# Altium PCB PCB_15122020_01BC.PcbDoc (part 7 of 9) (continued)
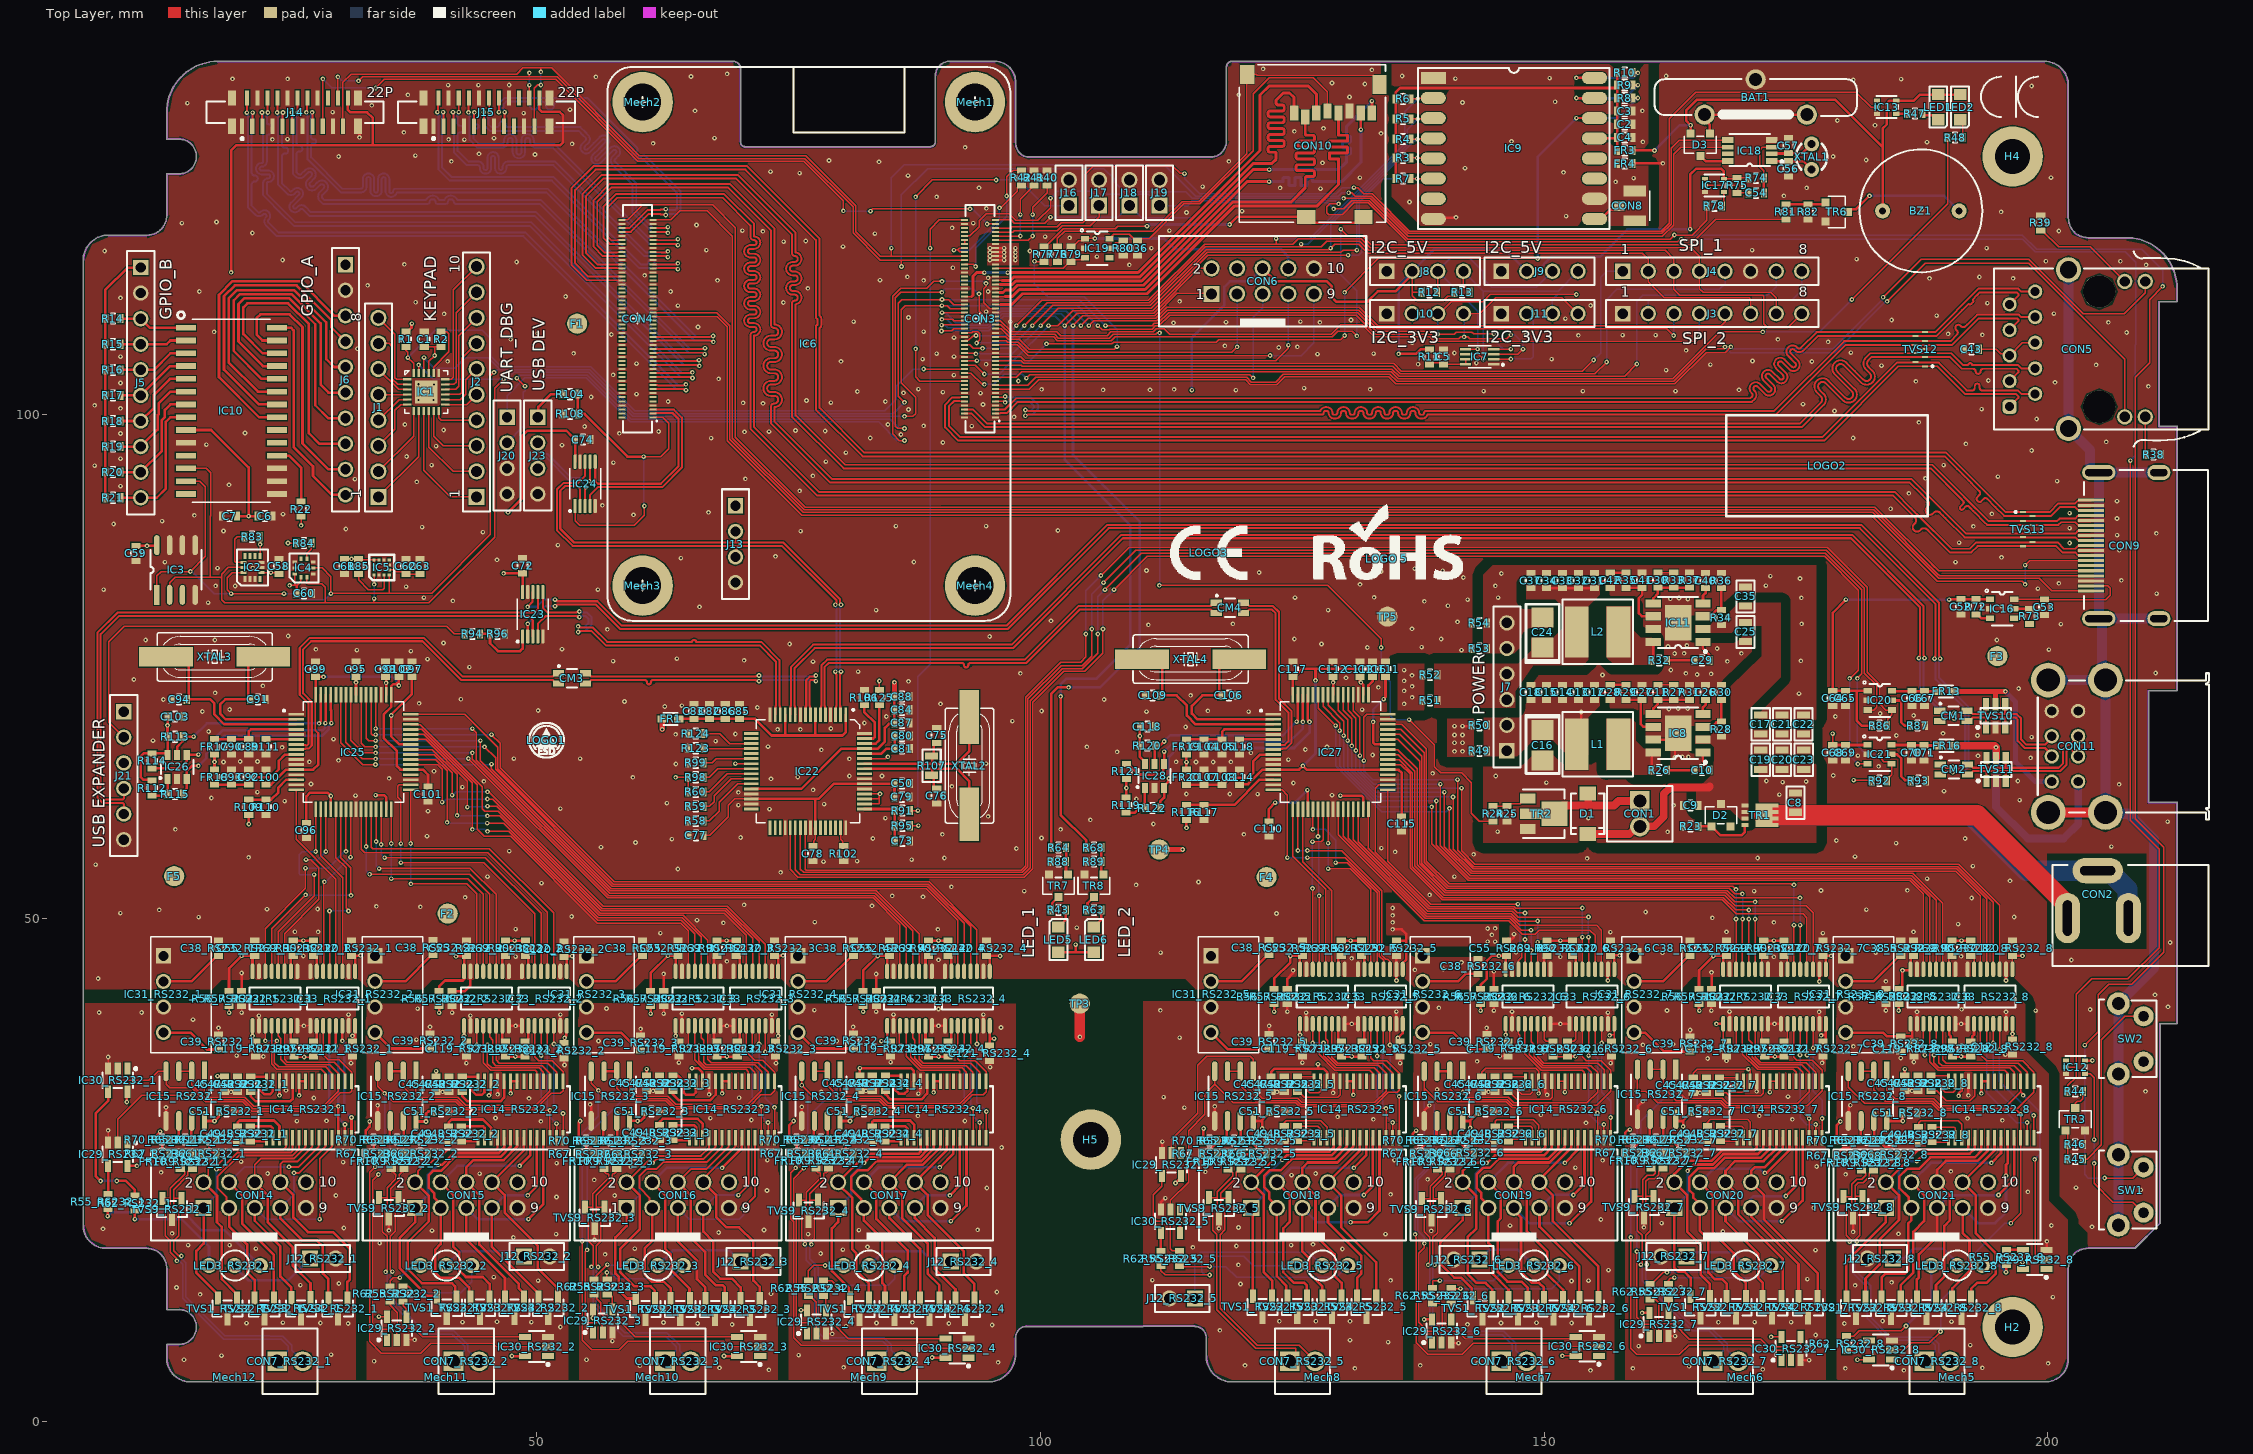
[diagram p0: Top Layer view]
## Nets (pads, with @x,y where several pads share a name; then routed paths per layer and width w, separated by ;. In a path a pad name is that pad's centre, name@x,y a point inside that pad or via, vN(x,y) a via of type N, cw(c..) or ccw(c..) an arc to the next point about the centre after c; other vN are vias at no path point) (continued)
RS485_RS232_6_N: CON7_RS232_6.2 FR9_RS232_6.2 TVS9_RS232_6.1 | length 28.5
  Top Layer w0.126: v1(139.13,15.566) 139.13,15.599 138.965,15.765 138.965,18.3 139.425,18.76 139.425,21.04 139,21.465 139,22.15 ; TVS9_RS232_6.1@139.75,22.15 139,22.15 ; FR9_RS232_6.2@140.65,25.05 140.5,25.05 140.19,24.74 140.19,24.424 139,23.234 139,22.15
  Bottom Layer w0.126: v1(139.13,15.566) 139.13,15.533 138.965,15.367 138.965,9.875 139.881,8.958 145.971,8.958 147.165,7.765 147.165,7.1 148.265,6 CON7_RS232_6.2@148.27,6
RS485_RS232_6_P: CON7_RS232_6.1 FR10_RS232_6.1 TVS9_RS232_6.2 | length 28.7
  Top Layer w0.126: TVS9_RS232_6.2@137.85,22.15 138.621,22.15 138.671,22.2 ; v1(138.49,15.566) 138.49,15.619 138.635,15.765 138.635,18.3 138.1,18.835 138.1,20.894 138.671,21.465 138.671,22.2 ; FR10_RS232_6.1@139.4,25.05 139.55,25.05 139.86,24.74 139.86,24.561 138.671,23.371 138.671,22.2
  Bottom Layer w0.126: v1(138.49,15.566) 138.49,15.513 138.635,15.367 138.635,9.739 139.745,8.629 145.835,8.629 146.835,7.628 146.835,7.105 CON7_RS232_6.1@145.73,6
RS485_RS232_7_N: CON7_RS232_7.2 FR9_RS232_7.2 TVS9_RS232_7.1 | length 26.4
  Top Layer w0.126: v1(160.19,15.6) 160.19,15.623 160.15,15.662 160.176,15.688 160.065,15.799 160.065,18.5 160.533,18.969 160.533,21.231 160.1,21.665 160.1,22.4 ; TVS9_RS232_7.1@160.85,22.35 160.8,22.4 160.1,22.4 ; FR9_RS232_7.2@161.8,25.15 161.65,25.15 161.365,24.865 161.365,24.524 160.976,24.136 160.365,24.136 160.1,23.871 160.1,22.4
  Bottom Layer w0.126: v1(160.19,15.6) 160.19,15.577 160.15,15.538 160.176,15.512 160.065,15.401 160.065,14.135 164.821,9.379 166.511,9.379 168.165,7.726 168.165,7.1 169.265,6 CON7_RS232_7.2@169.27,6
RS485_RS232_7_P: CON7_RS232_7.1 FR10_RS232_7.1 TVS9_RS232_7.2 | length 26.5
  Top Layer w0.126: TVS9_RS232_7.2@158.95,22.35 159,22.4 159.771,22.4 ; v1(159.6,15.597) 159.6,15.663 159.735,15.799 159.735,18.5 159.263,18.972 159.263,21.158 159.771,21.665 159.771,22.4 ; FR10_RS232_7.1@160.6,25.15 160.75,25.15 161.035,24.865 161.035,24.661 160.84,24.465 160.229,24.465 159.771,24.007 159.771,22.4
  Bottom Layer w0.126: v1(159.6,15.597) 159.6,15.537 159.735,15.401 159.735,13.999 164.684,9.05 166.375,9.05 167.835,7.59 167.835,7.105 CON7_RS232_7.1@166.73,6
RS485_RS232_8_N: CON7_RS232_8.2 FR9_RS232_8.2 TVS9_RS232_8.1 | length 27.7
  Top Layer w0.126: 180.843,18.007 181.349,18.512 181.349,21.197 180.866,21.68 180.866,22.4 ; TVS9_RS232_8.1@181.624,22.35 181.574,22.4 180.866,22.4 ; FR9_RS232_8.2@182.7,24.95 182.55,24.95 182.265,24.665 182.265,24.324 181.676,23.736 181.165,23.736 180.866,23.436 180.866,22.4
  Bottom Layer w0.126: v1(181.05,17.89) 181.028,17.89 180.839,17.701 180.839,15.08 182.411,13.507 182.411,10.354 184.361,8.404 188.486,8.404 189.165,7.726 189.165,6.95 190.115,6 CON7_RS232_8.2@190.27,6
RS485_RS232_8_P: CON7_RS232_8.1 FR10_RS232_8.1 TVS9_RS232_8.2 | length 28
  Top Layer w0.126: TVS9_RS232_8.2@179.724,22.35 180.486,22.35 180.536,22.4 ; v1(180.32,17.87) 180.377,17.87 180.509,18.002 180,18.511 180,21.113 180.536,21.649 180.536,22.4 ; FR10_RS232_8.1@181.5,24.95 181.65,24.95 181.935,24.665 181.935,24.461 181.54,24.065 181.029,24.065 180.536,23.573 180.536,22.4
  Bottom Layer w0.126: v1(180.32,17.87) 180.341,17.87 180.509,17.701 180.509,14.943 182.082,13.371 182.082,10.2 182.1,10.2 184.225,8.075 188.35,8.075 188.835,7.59 188.835,6.986 188.761,6.912 188.642,6.912 CON7_RS232_8.1@187.73,6
RS_CTS_1: CON14.6 IC14_RS232_1.7 TVS3_RS232_1.1 | length 22.2
  Top Layer w0.192: CON14.6@22,23.77 22,25.52 22.6,26.12 25.875,26.12 27.055,27.3 IC14_RS232_1.7@27.055,28.2
  Top Layer w0.254: CON14.6@22,23.77 23.275,22.495 23.275,19.825 25.769,17.331 25.769,15.508 27.531,13.745 TVS3_RS232_1.1@27.531,12.277
RS_CTS_2: CON15.6 IC14_RS232_2.7 TVS3_RS232_2.1 | length 22.1
  Top Layer w0.254: IC14_RS232_2.7@48.055,28.2 48.055,27.3 46.719,25.964 43.694,25.964 43,25.27 CON15.6@43,23.77 44.3,22.47 44.3,17.574 48.224,13.65 48.224,13.23 48.74,12.715 TVS3_RS232_2.1@48.74,12.365
RS_CTS_3: CON16.6 IC14_RS232_3.7 TVS3_RS232_3.1 | length 21.3
  Top Layer w0.192: CON16.6@64,23.77 65.33,25.1 66.855,25.1 69.055,27.3 IC14_RS232_3.7@69.055,28.2
  Top Layer w0.254: CON16.6@64,23.77 65.27,22.5 65.27,18.28 66.7,16.85 66.7,14.601 67.751,13.55 68.432,13.55 68.661,13.32 TVS3_RS232_3.1@68.661,12.229
RS_CTS_4: CON17.6 IC14_RS232_4.7 TVS3_RS232_4.1 | length 21
  Top Layer w0.254: TVS3_RS232_4.1@89.955,12.25 89.955,13.545 88.8,14.7 88.8,17.7 86.27,20.23 86.27,22.5 CON17.6@85,23.77 86.752,25.522 88.331,25.522 90.055,27.246 IC14_RS232_4.7@90.055,28.2
RS_CTS_5: CON18.6 IC14_RS232_5.7 TVS3_RS232_5.1 | length 21.2
  Top Layer w0.254: TVS3_RS232_5.1@129.886,12.45 129.886,13.773 129.2,14.459 129.2,16.6 127.3,18.5 127.3,22.47 CON18.6@126,23.77 126,25.2 126.533,25.733 129.488,25.733 131.055,27.3 IC14_RS232_5.7@131.055,28.2
RS_CTS_6: CON19.6 IC14_RS232_6.7 TVS3_RS232_6.1 | length 21.8
  Top Layer w0.254: TVS3_RS232_6.1@151.877,12.3 151.877,13.1 150.3,14.677 150.3,16.888 148.28,18.908 148.28,22.49 CON19.6@147,23.77 147,25.323 147.41,25.733 150.511,25.733 152.055,27.277 IC14_RS232_6.7@152.055,28.2
RS_CTS_7: CON20.6 IC14_RS232_7.7 TVS3_RS232_7.1 | length 22
  Top Layer w0.254: IC14_RS232_7.7@173.055,28.2 173.055,27.13 171.788,25.863 168.963,25.863 168,24.9 CON20.6@168,23.77 169.27,22.5 169.27,20.585 173.705,16.15 173.705,12.53 TVS3_RS232_7.1@173.583,12.408
RS_CTS_8: CON21.6 IC14_RS232_8.7 TVS3_RS232_8.1 | length 20.9
  Top Layer w0.254: TVS3_RS232_8.1@188.897,12.35 188.897,13.572 189.725,14.4 189.725,19.439 190.265,19.979 190.265,22.505 CON21.6@189,23.77 189,25 189.889,25.889 193.014,25.889 194.055,26.93 IC14_RS232_8.7@194.055,28.2
RS_DCD_1: CON14.1 IC14_RS232_1.5 TVS1_RS232_1.2 | length 24.4
  Top Layer w0.192: CON14.1@16.7,21.01 CON14.1@16.92,21.23 ; v1(18.196,25.05) 18.602,25.05 20.258,26.707 25.58,26.707 25.755,26.882 IC14_RS232_1.5@25.755,28.2
  Top Layer w0.254: CON14.1@16.92,21.23 16.92,17.67 16.2,16.95 16.2,14.777 18.35,12.627 TVS1_RS232_1.2@18.35,12.277
  Bottom Layer w0.192: CON14.1@16.92,21.23 18.196,22.506 v1(18.196,25.05)
RS_DCD_2: CON15.1 IC14_RS232_2.5 TVS1_RS232_2.2 | length 25
  Top Layer w0.254: CON15.1@37.92,21.23 37.92,19.8 36.4,18.28 36.4,15.22 39.1,12.52 39.953,12.52 TVS1_RS232_2.2@40.109,12.365 ; v1(40.2,25.5) 40.577,25.5 41.753,26.676 46.231,26.676 46.755,27.2 IC14_RS232_2.5@46.755,28.2
  Bottom Layer w0.254: CON15.1@37.92,21.23 39.2,22.51 39.2,24.5 v1(40.2,25.5)
RS_DCD_3: CON16.1 IC14_RS232_3.5 TVS1_RS232_3.2 | length 24.2
  Top Layer w0.192: v1(61.5,25.7) 61.893,26.093 66.548,26.093 67.755,27.3 IC14_RS232_3.5@67.755,28.2
  Top Layer w0.254: CON16.1@58.92,21.23 58.92,19.411 57.8,18.291 57.8,14.7 58.15,14.35 58.15,13.02 58.942,12.229 TVS1_RS232_3.2@59.82,12.229
  Bottom Layer w0.192: CON16.1@58.92,21.23 60.2,22.51 60.2,24.4 v1(61.5,25.7)
RS_DCD_4: CON17.1 IC14_RS232_4.5 TVS1_RS232_4.2 | length 23.5
  Top Layer w0.254: CON17.1@79.92,21.23 79.92,19.82 79.299,19.199 79.299,14.951 80.969,13.281 80.969,12.354 TVS1_RS232_4.2@81.073,12.25 ; v1(82.5,25.7) 83.033,26.233 88.036,26.233 88.755,26.952 IC14_RS232_4.5@88.755,28.2
  Bottom Layer w0.254: CON17.1@79.92,21.23 81.2,22.51 81.2,24.4 v1(82.5,25.7)
RS_DCD_5: CON18.1 IC14_RS232_5.5 TVS1_RS232_5.2 | length 22.1
  Top Layer w0.254: CON18.1@120.92,21.23 121.094,21.056 TVS1_RS232_5.2@121.094,12.45 ; v1(124,26) 124.444,26.444 128.899,26.444 129.755,27.3 IC14_RS232_5.5@129.755,28.2
  Bottom Layer w0.254: CON18.1@120.92,21.23 122.2,22.51 122.2,24.2 v1(124,26)
RS_DCD_6: CON19.1 IC14_RS232_6.5 TVS1_RS232_6.2 | length 25.1
  Top Layer w0.254: CON19.1@141.92,21.23 141.92,20.02 139.7,17.8 139.7,15.675 141.075,14.3 141.75,14.3 142.8,13.25 142.8,12.45 TVS1_RS232_6.2@142.95,12.3 ; v1(144.3,25.7) 144.353,25.7 145.097,26.444 149.992,26.444 150.755,27.208 IC14_RS232_6.5@150.755,28.2
  Bottom Layer w0.254: CON19.1@141.92,21.23 143.2,22.51 143.2,24.6 v1(144.3,25.7)
RS_DCD_7: CON20.1 IC14_RS232_7.5 TVS1_RS232_7.2 | length 23.6
  Top Layer w0.254: CON20.1@162.92,21.23 162.92,15.274 163.31,14.884 163.931,14.884 164.55,14.265 TVS1_RS232_7.2@164.55,12.408 ; v1(164.25,24.9) 164.883,25.533 166.747,25.533 167.788,26.574 171.229,26.574 171.755,27.1 IC14_RS232_7.5@171.755,28.2
  Bottom Layer w0.254: CON20.1@162.92,21.23 164.25,22.56 v1(164.25,24.9)
RS_DCD_8: CON21.1 IC14_RS232_8.5 TVS1_RS232_8.2 | length 24.3
  Top Layer w0.254: TVS1_RS232_8.2@180.003,12.35 180.003,15.924 183.92,19.841 CON21.1@183.92,21.23 ; v1(186.997,25.863) 187.734,26.6 192.225,26.6 192.755,27.13 IC14_RS232_8.5@192.755,28.2
  Bottom Layer w0.254: CON21.1@183.92,21.23 185.2,22.51 185.2,24.9 186.163,25.863 v1(186.997,25.863)
RS_DSR_1: CON14.2 IC14_RS232_1.4 TVS1_RS232_1.1 | length 23.9
  Top Layer w0.192: CON14.2@16.92,23.77 16.92,24.02 17.385,24.485 17.385,25.1 17.885,25.6 18.445,25.6 19.845,27 24.805,27 25.105,27.3 IC14_RS232_1.4@25.105,28.2
  Top Layer w0.254: CON14.2@16.92,23.77 18.25,22.44 18.25,19.8 18.725,19.325 18.725,14.152 20.25,12.627 TVS1_RS232_1.1@20.25,12.277
RS_DSR_2: CON15.2 IC14_RS232_2.4 TVS1_RS232_2.1 | length 27.7
  Top Layer w0.192: CON15.2@37.92,23.77 38.189,24.039 38.189,24.839 39,25.65 39.403,25.65 39.847,26.093 40.25,26.093 41.157,27 45.905,27 46.105,27.2 IC14_RS232_2.4@46.105,28.2
  Top Layer w0.254: CON15.2@37.92,23.77 39.275,22.415 39.275,19.9 37.188,17.813 37.188,15.137 38.58,13.745 41.589,13.745 41.9,13.434 41.9,12.473 TVS1_RS232_2.1@42.009,12.365
RS_DSR_3: CON16.2 IC14_RS232_3.4 TVS1_RS232_3.1 | length 25.8
  Top Layer w0.192: CON16.2@58.92,23.77 61.537,26.387 66.287,26.387 67.1,27.2 67.1,28.195 IC14_RS232_3.4@67.105,28.2
  Top Layer w0.254: CON16.2@58.92,23.77 60.2,22.49 60.2,19.1 58.265,17.165 58.265,14.874 59.704,13.434 61.286,13.434 61.72,13 TVS1_RS232_3.1@61.72,12.229
RS_DSR_4: CON17.2 IC14_RS232_4.4 TVS1_RS232_4.1 | length 23.6
  Top Layer w0.254: TVS1_RS232_4.1@82.973,12.25 82.973,13.7 81.725,14.948 81.725,16.694 81.318,17.101 81.318,22.2 79.9,23.618 79.9,23.75 CON17.2@79.92,23.77 82.739,26.589 87.889,26.589 88.105,26.805 IC14_RS232_4.4@88.105,28.2
RS_DSR_5: CON18.2 IC14_RS232_5.4 TVS1_RS232_5.1 | length 22.8
  Top Layer w0.254: TVS1_RS232_5.1@122.994,12.45 122.994,14.006 122.185,14.815 122.185,22.505 CON18.2@120.92,23.77 120.92,23.791 123.929,26.8 128.697,26.8 129.105,27.208 IC14_RS232_5.4@129.105,28.2
RS_DSR_6: CON19.2 IC14_RS232_6.4 TVS1_RS232_6.1 | length 25.2
  Top Layer w0.127: IC14_RS232_6.4@150.1,28.195 IC14_RS232_6.4@150.105,28.2
  Top Layer w0.254: TVS1_RS232_6.1@144.85,12.3 144.85,13.1 144.177,13.773 143.302,13.773 142.4,14.675 142.4,18.337 143.263,19.2 143.263,22.427 CON19.2@141.92,23.77 141.92,24.9 142.72,25.7 143.545,25.7 144.645,26.8 149.665,26.8 150.1,27.235 IC14_RS232_6.4@150.1,28.195
RS_DSR_7: CON20.2 IC14_RS232_7.4 TVS1_RS232_7.1 | length 23.9
  Top Layer w0.254: TVS1_RS232_7.1@166.45,12.408 166.45,13.688 165.565,14.573 165.565,17.5 164.2,18.865 164.2,22.49 CON20.2@162.92,23.77 162.92,24.6 164.209,25.889 166.599,25.889 167.641,26.93 170.835,26.93 171.105,27.2 IC14_RS232_7.4@171.105,28.2
RS_DSR_8: CON21.2 IC14_RS232_8.4 TVS1_RS232_8.1 | length 24
  Top Layer w0.254: TVS1_RS232_8.1@181.935,12.382 TVS1_RS232_8.1@181.903,12.35 181.903,14.2 183.3,15.597 183.3,18.1 185.227,20.027 185.227,22.463 CON21.2@183.92,23.77 187.15,27 191.951,27 192.1,27.149 192.1,28.195 IC14_RS232_8.4@192.105,28.2
RS_DTR_1: CON14.7 IC14_RS232_1.10 TVS4_RS232_1.2 | length 20.9
  Top Layer w0.192: v1(25.9,24.7) 25.908,24.708 26.413,24.708 29.005,27.3 IC14_RS232_1.10@29.005,28.2
  Top Layer w0.254: CON14.7@24.54,21.23 24.54,20.178 26.718,18 28.152,18 28.752,17.4 28.752,14.702 29.3,14.154 TVS4_RS232_1.2@29.3,12.277
  Bottom Layer w0.192: CON14.7@24.54,21.23 25.9,22.59 v1(25.9,24.7)
RS_DTR_2: CON15.7 IC14_RS232_2.10 TVS4_RS232_2.2 | length 21
  Top Layer w0.254: CON15.7@45.54,21.23 45.54,17.36 50.185,12.715 TVS4_RS232_2.2@50.185,12.365 ; v1(49.1,22.47) 50.005,23.375 IC14_RS232_2.10@50.005,28.2
  Bottom Layer w0.254: CON15.7@45.54,21.23 46.78,22.47 v1(49.1,22.47)
RS_DTR_3: CON16.7 IC14_RS232_3.10 TVS4_RS232_3.2 | length 21.3
  Top Layer w0.192: v1(70,22.49) 71.005,23.495 IC14_RS232_3.10@71.005,28.2
  Top Layer w0.254: CON16.7@66.54,21.23 66.54,18.865 67.5,17.905 67.5,14.905 68.21,14.195 69.357,14.195 70.232,13.321 TVS4_RS232_3.2@70.232,12.229
  Bottom Layer w0.192: CON16.7@66.54,21.23 67.8,22.49 v1(70,22.49)
RS_DTR_4: CON17.7 IC14_RS232_4.10 TVS4_RS232_4.2 | length 20.9
  Top Layer w0.254: CON17.7@87.54,21.23 87.54,20.2 89.5,18.24 89.5,15.2 91.562,13.138 91.562,12.266 TVS4_RS232_4.2@91.546,12.25 ; v1(91,22.47) 92.005,23.475 IC14_RS232_4.10@92.005,28.2
  Bottom Layer w0.254: CON17.7@87.54,21.23 87.54,21.44 88.57,22.47 v1(91,22.47)
RS_DTR_5: CON18.7 IC14_RS232_5.10 TVS4_RS232_5.2 | length 20.5
  Top Layer w0.254: CON18.7@128.54,21.23 128.54,19.779 131.85,16.469 131.85,14.7 131.432,14.282 TVS4_RS232_5.2@131.432,12.45 ; v1(132.1,22.505) 133.005,23.41 IC14_RS232_5.10@133.005,28.2
  Bottom Layer w0.254: CON18.7@128.54,21.23 128.54,21.345 129.7,22.505 v1(132.1,22.505)
RS_DTR_6: CON19.7 IC14_RS232_6.10 TVS4_RS232_6.2 | length 20.9
  Top Layer w0.127: CON19.7@149.54,21.23 CON19.7@149.775,21.465
  Top Layer w0.254: CON19.7@149.54,21.23 149.54,19.365 153.49,15.415 TVS4_RS232_6.2@153.49,12.3 ; v1(152.9,22.51) 154.005,23.615 IC14_RS232_6.10@154.005,28.2
  Bottom Layer w0.254: CON19.7@149.54,21.23 150.82,22.51 v1(152.9,22.51)
RS_DTR_7: CON20.7 IC14_RS232_7.10 TVS4_RS232_7.2 | length 21.5
  Top Layer w0.254: CON20.7@170.54,21.23 170.54,20.358 175.25,15.648 TVS4_RS232_7.2@175.25,12.408 ; v1(174,22.4) 175.005,23.405 IC14_RS232_7.10@175.005,28.2
  Bottom Layer w0.254: CON20.7@170.54,21.23 170.5,21.27 170.5,22.1 170.8,22.4 v1(174,22.4)
RS_DTR_8: CON21.7 IC14_RS232_8.10 TVS4_RS232_8.2 | length 22.7
  Top Layer w0.254: TVS4_RS232_8.2@190.494,12.35 190.525,12.381 190.525,13.248 192.225,14.948 192.225,18.068 191.54,18.753 CON21.7@191.54,21.23 ; v1(195.85,24.425) 195.85,25.495 196.005,25.65 IC14_RS232_8.10@196.005,28.2
  Bottom Layer w0.254: CON21.7@191.54,21.23 193.058,19.712 194.775,19.712 195.85,20.787 v1(195.85,24.425)
RS_RI_1: CON14.8 IC14_RS232_1.8 TVS4_RS232_1.1 | length 22.5
  Top Layer w0.192: CON14.8@24.54,23.77 24.54,25.415 24.534,25.421 24.534,25.579 24.782,25.827 26.232,25.827 27.705,27.3 IC14_RS232_1.8@27.705,28.2
  Top Layer w0.254: CON14.8@24.54,23.77 25.825,22.485 25.825,20.273 27.288,18.811 29.782,18.811 31.45,17.142 31.45,14.123 31.2,13.873 TVS4_RS232_1.1@31.2,12.277
RS_RI_2: CON15.8 IC14_RS232_2.8 TVS4_RS232_2.1 | length 19.9
  Top Layer w0.254: IC14_RS232_2.8@48.705,28.2 48.705,26.935 CON15.8@45.54,23.77 46.8,22.51 46.8,20.764 50.077,17.487 50.077,15.243 52,13.32 52,12.45 TVS4_RS232_2.1@52.085,12.365
RS_RI_3: CON16.8 IC14_RS232_3.8 TVS4_RS232_3.1 | length 20.3
  Top Layer w0.192: CON16.8@66.54,23.77 66.54,24.135 69.705,27.3 IC14_RS232_3.8@69.705,28.2
  Top Layer w0.254: CON16.8@66.54,23.77 67.8,22.51 67.8,20.3 68.81,19.29 70.09,19.29 71.5,17.88 71.5,14.019 72.132,13.387 TVS4_RS232_3.1@72.132,12.229
RS_RI_4: CON17.8 IC14_RS232_4.8 TVS4_RS232_4.1 | length 19.7
  Top Layer w0.254: IC14_RS232_4.8@90.705,28.2 90.705,26.955 87.54,23.79 CON17.8@87.54,23.77 88.8,22.51 88.8,20.5 92.4,16.9 92.4,14.729 93.446,13.683 TVS4_RS232_4.1@93.446,12.25
RS_RI_5: CON18.8 IC14_RS232_5.8 TVS4_RS232_5.1 | length 19
  Top Layer w0.254: IC14_RS232_5.8@131.705,28.2 131.705,26.935 CON18.8@128.54,23.77 129.859,22.451 129.859,19.284 133.332,15.811 TVS4_RS232_5.1@133.332,12.45
RS_RI_6: CON19.8 IC14_RS232_6.8 TVS4_RS232_6.1 | length 19.6
  Top Layer w0.254: IC14_RS232_6.8@152.705,28.2 152.705,27.2 149.54,24.035 CON19.8@149.54,23.77 150.875,22.435 150.875,19.9 155.39,15.385 TVS4_RS232_6.1@155.39,12.3
RS_RI_7: CON20.8 IC14_RS232_7.8 TVS4_RS232_7.1 | length 20.4
  Top Layer w0.254: IC14_RS232_7.8@173.705,28.2 173.705,27.1 171.853,25.248 170.888,25.248 170.54,24.9 CON20.8@170.54,23.77 171.824,22.486 171.824,20.076 177.15,14.75 TVS4_RS232_7.1@177.15,12.408
RS_RI_8: CON21.8 IC14_RS232_8.8 TVS4_RS232_8.1 | length 20.1
  Top Layer w0.254: TVS4_RS232_8.1@192.394,12.35 192.4,12.356 192.4,13.2 192.975,13.775 193.925,13.775 194.85,14.7 194.85,16.7 192.825,18.725 192.825,22.485 CON21.8@191.54,23.77 194.705,26.935 IC14_RS232_8.8@194.705,28.2
RS_RTS_1: CON14.4 IC14_RS232_1.9 TVS2_RS232_1.1 | length 24.6
  Top Layer w0.192: v1(25.393,25.3) 26.355,25.3 28.355,27.3 IC14_RS232_1.9@28.355,28.2
  Top Layer w0.254: CON14.4@19.46,23.77 20.75,22.48 20.75,19.675 23.896,16.529 TVS2_RS232_1.1@23.896,12.277
  Bottom Layer w0.192: CON14.4@19.46,23.77 20.99,25.3 v1(25.393,25.3)
RS_RTS_2: CON15.4 IC14_RS232_2.9 TVS2_RS232_2.1 | length 26.2
  Top Layer w0.254: CON15.4@40.46,23.77 41.7,22.53 41.7,17.399 42.3,16.799 42.3,15.012 42.95,14.362 44.634,14.362 45.321,13.674 TVS2_RS232_2.1@45.321,12.365 ; v1(48.3,25.4) 49.355,26.455 IC14_RS232_2.9@49.355,28.2
  Bottom Layer w0.254: CON15.4@40.46,23.77 40.47,23.77 42.1,25.4 v1(48.3,25.4)
RS_RTS_3: CON16.4 IC14_RS232_3.9 TVS2_RS232_3.1 | length 24.5
  Top Layer w0.254: CON16.4@61.46,23.77 62.73,22.5 62.73,17.17 63.3,16.6 63.3,15 63.355,15 65.155,13.2 65.155,12.264 TVS2_RS232_3.1@65.191,12.229 ; v1(68.405,25.2) 70.355,27.15 IC14_RS232_3.9@70.355,28.2
  Bottom Layer w0.254: CON16.4@61.46,23.77 62.89,25.2 v1(68.405,25.2)
RS_RTS_4: CON17.4 IC14_RS232_4.9 TVS2_RS232_4.1 | length 25.1
  Top Layer w0.254: CON17.4@82.46,23.77 83.7,22.53 83.7,20.1 86.805,16.995 86.805,14.8 86.464,14.459 TVS2_RS232_4.1@86.464,12.25 ; v1(90,25.25) 91.355,26.605 IC14_RS232_4.9@91.355,28.2
  Bottom Layer w0.254: CON17.4@82.46,23.77 83.94,25.25 v1(90,25.25)
RS_RTS_5: CON18.4 IC14_RS232_5.9 TVS2_RS232_5.1 | length 25.4
  Top Layer w0.254: CON18.4@123.46,23.77 124.759,22.471 124.759,19.859 124.1,19.2 124.1,14.836 125.136,13.8 126.14,13.8 126.44,13.5 TVS2_RS232_5.1@126.44,12.45 ; v1(131.1,25.2) 132.355,26.455 IC14_RS232_5.9@132.355,28.2
  Bottom Layer w0.254: CON18.4@123.46,23.77 124.89,25.2 v1(131.1,25.2)
RS_RTS_6: CON19.4 IC14_RS232_6.9 TVS2_RS232_6.1 | length 25.6
  Top Layer w0.254: CON19.4@144.46,23.77 145.7,22.53 145.7,20.2 145.4,19.9 145.4,14.847 146.347,13.9 147.763,13.9 148.363,13.3 TVS2_RS232_6.1@148.363,12.3 ; v1(152.055,25.7) 153.355,27 IC14_RS232_6.9@153.355,28.2
  Bottom Layer w0.254: CON19.4@144.46,23.77 146.39,25.7 v1(152.055,25.7)
RS_RTS_7: CON20.4 IC14_RS232_7.9 TVS2_RS232_7.1 | length 25.1
  Top Layer w0.254: CON20.4@165.486,23.77 CON20.4@165.46,23.77 166.73,22.5 166.73,18.818 168.8,16.748 168.8,14.964 170.017,13.748 TVS2_RS232_7.1@170.017,12.408 ; v1(171.9,24.7) 171.938,24.738 172.138,24.738 174.355,26.955 IC14_RS232_7.9@174.355,28.2
  Bottom Layer w0.254: CON20.4@165.46,23.77 166.79,25.1 171.447,25.1 171.847,24.7 v1(171.9,24.7)
RS_RTS_8: CON21.4 IC14_RS232_8.9 TVS2_RS232_8.1 | length 24.5
  Top Layer w0.254: TVS2_RS232_8.1@185.4,12.35 185.4,13.55 186.65,14.8 186.65,18.834 187.73,19.914 187.73,22.5 CON21.4@186.46,23.77 ; v1(194.4,25.7) 195.355,26.655 IC14_RS232_8.9@195.355,28.2
  Bottom Layer w0.254: CON21.4@186.46,23.77 188.39,25.7 v1(194.4,25.7)
RS_RX_1: CON14.3 IC14_RS232_1.6 TVS2_RS232_1.2 | length 23.9
  Top Layer w0.192: CON14.3@19.46,21.23 19.191,21.499 19.191,22.309 18.3,23.2 18.3,24.3 20.413,26.413 25.718,26.413 26.405,27.1 IC14_RS232_1.6@26.405,28.2
  Top Layer w0.254: CON14.3@19.46,21.23 19.46,19.39 21.25,17.6 21.25,14.812 21.996,14.066 TVS2_RS232_1.2@21.996,12.277
RS_RX_2: CON15.3 IC14_RS232_2.6 TVS2_RS232_2.2 | length 25.6
  Top Layer w0.254: TVS2_RS232_2.2@43.421,12.365 43.276,12.51 43.276,13.32 42.318,14.278 40.423,14.278 39.9,14.801 39.9,17.06 40.46,17.62 CON15.3@40.46,21.23 40.46,21.58 39.8,22.24 39.8,22.7 39.275,23.225 39.275,24.485 39.69,24.9 40.48,24.9 41.9,26.32 46.425,26.32 47.405,27.3 IC14_RS232_2.6@47.405,28.2
RS_RX_3: CON16.3 IC14_RS232_3.6 TVS2_RS232_3.2 | length 25.1
  Top Layer w0.192: CON16.3@61.46,21.23 61.2,21.49 61.2,22.2 60.2,23.2 60.2,24.4 60.9,25.1 61.9,25.1 62.6,25.8 66.905,25.8 68.405,27.3 IC14_RS232_3.6@68.405,28.2
  Top Layer w0.254: CON16.3@61.46,21.23 61.46,17.959 60.7,17.199 60.7,14.6 61.401,13.899 62.601,13.899 63.3,13.2 63.3,12.238 TVS2_RS232_3.2@63.291,12.229
RS_RX_4: CON17.3 IC14_RS232_4.6 TVS2_RS232_4.2 | length 23.9
  Top Layer w0.254: TVS2_RS232_4.2@84.564,12.25 84.564,13.486 84.3,13.75 84.3,18.125 82.46,19.965 CON17.3@82.46,21.23 82.202,21.488 82.202,22.098 81.2,23.1 81.2,24.3 81.85,24.95 82.818,24.95 83.746,25.878 88.184,25.878 89.405,27.099 IC14_RS232_4.6@89.405,28.2
RS_RX_5: CON18.3 IC14_RS232_5.6 TVS2_RS232_5.2 | length 23.2
  Top Layer w0.254: TVS2_RS232_5.2@124.54,12.45 124.419,12.571 124.419,13.481 123.46,14.44 CON18.3@123.46,21.23 123.46,21.383 122.701,22.141 122.701,22.799 122.2,23.3 122.2,24.4 122.75,24.95 123.85,24.95 124.989,26.089 129.194,26.089 130.405,27.3 IC14_RS232_5.6@130.405,28.2
RS_RX_6: CON19.3 IC14_RS232_6.6 TVS2_RS232_6.2 | length 23.8
  Top Layer w0.254: TVS2_RS232_6.2@146.463,12.3 146.463,13.1 144.9,14.663 144.9,17.3 144.46,17.74 CON19.3@144.46,21.23 144.46,21.483 143.751,22.191 143.751,22.749 143.3,23.2 143.3,24.551 143.946,25.197 144.6,25.197 145.492,26.089 150.364,26.089 151.405,27.13 IC14_RS232_6.6@151.405,28.2
RS_RX_7: CON20.3 IC14_RS232_7.6 TVS2_RS232_7.2 | length 24.1
  Top Layer w0.254: TVS2_RS232_7.2@168.117,12.408 168.117,13.697 167.688,14.125 166.975,14.125 166.3,14.8 166.3,18.1 165.46,18.94 CON20.3@165.46,21.23 165.46,21.58 164.8,22.24 164.8,22.61 164.4,23.01 164.4,24.253 165.325,25.178 166.894,25.178 167.935,26.219 171.524,26.219 172.405,27.1 IC14_RS232_7.6@172.405,28.2
RS_RX_8: CON21.3 IC14_RS232_8.6 TVS2_RS232_8.2 | length 25.3
  Top Layer w0.254: TVS2_RS232_8.2@183.5,12.35 183.5,14.32 183.88,14.7 185.8,14.7 186.13,15.03 186.13,19.67 186.46,20 CON21.3@186.46,21.23 186.202,21.488 186.202,22.248 185.25,23.2 185.25,24.324 186.03,25.104 187.204,25.104 188.344,26.244 192.744,26.244 193.405,26.905 IC14_RS232_8.6@193.405,28.2
RS_TXD_1: CON14.5 IC14_RS232_1.11 TVS3_RS232_1.2 | length 26
  Top Layer w0.192: v1(28.45,20.1) 28.45,26.095 29.655,27.3 IC14_RS232_1.11@29.655,28.2
  Top Layer w0.254: CON14.5@22,21.23 22,19.95 24.54,17.41 24.54,14.412 25.631,13.32 TVS3_RS232_1.2@25.631,12.277
  Bottom Layer w0.192: CON14.5@22,21.23 23.13,20.1 v1(28.45,20.1)
RS_TXD_2: CON15.5 IC14_RS232_2.11 TVS3_RS232_2.2 | length 25.8
  Top Layer w0.254: CON15.5@43,21.23 43,18.1 46.84,14.26 TVS3_RS232_2.2@46.84,12.365 ; v1(49.153,20.1) 50.655,21.603 IC14_RS232_2.11@50.655,28.2
  Bottom Layer w0.254: CON15.5@43,21.23 44.13,20.1 v1(49.153,20.1)
RS_TXD_3: CON16.5 IC14_RS232_3.11 TVS3_RS232_3.2 | length 25.5
  Top Layer w0.192: v1(70.5,21.2) 71.655,22.355 IC14_RS232_3.11@71.655,28.2
  Top Layer w0.254: CON16.5@64,21.23 64,17.9 65.9,16 65.9,14.15 66.73,13.32 66.73,12.26 TVS3_RS232_3.2@66.761,12.229
  Bottom Layer w0.192: CON16.5@64,21.23 65.13,20.1 70.1,20.1 70.5,20.5 v1(70.5,21.2)
RS_TXD_4: CON17.5 IC14_RS232_4.11 TVS3_RS232_4.2 | length 25.8
  Top Layer w0.254: CON17.5@85,21.23 85,20.2 88.055,17.145 TVS3_RS232_4.2@88.055,12.25 ; v1(91.1,19.9) 92.655,21.455 IC14_RS232_4.11@92.655,28.2
  Bottom Layer w0.254: CON17.5@85,21.23 86.33,19.9 v1(91.1,19.9)
RS_TXD_5: CON18.5 IC14_RS232_5.11 TVS3_RS232_5.2 | length 25.6
  Top Layer w0.254: CON18.5@126,21.23 126,16.9 126.7,16.2 126.7,14.72 127.986,13.434 TVS3_RS232_5.2@127.986,12.45 ; v1(130.8,19.8) 132.5,19.8 133.655,20.955 IC14_RS232_5.11@133.655,28.2
  Bottom Layer w0.254: CON18.5@126,21.23 127.43,19.8 v1(130.8,19.8)
RS_TXD_6: CON19.5 IC14_RS232_6.11 TVS3_RS232_6.2 | length 26.1
  Top Layer w0.254: CON19.5@147,21.23 147,20.96 147.7,20.26 147.7,14.865 148.792,13.773 149.504,13.773 149.977,13.3 TVS3_RS232_6.2@149.977,12.3 ; v1(152.518,19.7) 154.655,21.838 IC14_RS232_6.11@154.655,28.2
  Bottom Layer w0.254: CON19.5@147,21.23 148.53,19.7 v1(152.518,19.7)
RS_TXD_7: CON20.5 IC14_RS232_7.11 TVS3_RS232_7.2 | length 25.6
  Top Layer w0.254: CON20.5@168,21.23 168,19.9 171.265,16.635 171.265,14.223 171.683,13.804 TVS3_RS232_7.2@171.683,12.408 ; v1(173.6,19.9) 175.655,21.955 IC14_RS232_7.11@175.655,28.2
  Bottom Layer w0.254: CON20.5@168,21.23 169.33,19.9 v1(173.6,19.9)
RS_TXD_8: CON21.5 IC14_RS232_8.11 TVS3_RS232_8.2 | length 22.7
  Top Layer w0.254: TVS3_RS232_8.2@186.997,12.35 186.997,14.113 187.204,14.32 187.204,16.604 189,18.4 CON21.5@189,21.23 ; v1(195.1,22.5) 196.655,24.055 IC14_RS232_8.11@196.655,28.2
  Bottom Layer w0.254: CON21.5@189,21.23 190.27,22.5 v1(195.1,22.5)
RST: IC1.20 R2.1 | length 5.4
  Top Layer w0.127: IC1.20@39.775,104.115 39.775,104.698 41.281,106.204 41.281,107.98 41.058,108.203 40.503,108.203 R2.1@40.5,108.2
RUN_PG: CON3.92 IC12.2 J19.1 R44.1 | length 217.3
  Top Layer w0.127: CON3.92@92.46,117.7 92.486,117.726 93.001,117.726 93.9,118.625 93.9,119.2 94.6,119.9 96.875,119.9 97.525,119.25 99.725,119.25 101,120.525 v1(101,121.462) ; v1(129.6,120.9) 128.715,120.9 128.415,120.6 128.415,120.017 128.607,119.825 129.95,119.825 131.111,120.986 132.537,120.986 136.392,117.13 163.259,117.13 163.513,117.384 v1(163.6,117.384) ; IC12.2@201.8,35.2 202.8,35.2 ; R44.1@201.975,32.795 202,32.82 202,33.4 202.8,34.2 202.8,35.2 ; v1(208.2,95.4) 208.2,59.697 211.045,56.852 211.045,47.067 207.95,43.972 204.363,43.972 202.8,42.409 202.8,35.2
  Bottom Layer w0.127: v1(101,121.462) 101.663,122.125 105,122.125 105.279,121.846 110.709,121.846 J19.1@111.825,120.73 114.598,120.73 115.083,121.214 129.285,121.214 v1(129.6,120.9) ; v1(163.6,117.384) 197.516,117.384 198.775,116.125 207.671,116.125 208.719,115.077 208.719,106.933 208.7,106.914 208.7,95.9 v1(208.2,95.4)
SCL0: CON3.80 IC18.6 J14.20 J15.20 | length 178.2
  Top Layer w0.127: J14.20@30.25,131.4 v1(30.25,133.502) ; v1(32.3,133.1) 32.702,133.502 49.25,133.502 ; J15.20@49.25,131.4 v1(49.25,132.675) ; v1(49.25,133.9) 49.25,133.502 ; v1(86.2,114.675) 86.2,115.3 ; CON3.80@92.46,115.3 86.2,115.3 ; v1(130.1,121.443) 132.727,121.443 136.507,117.662 161.721,117.662 162.857,118.798 162.857,125.8 163.554,126.496 IC18.6@168.225,126.496 ; 49.25,133.502 52.005,133.502 60.109,125.398 76.594,125.398 81.392,120.6 81.392,118.008 84.1,115.3 86.2,115.3
  Bottom Layer w0.127: v1(30.25,133.502) 30.652,133.1 v1(32.3,133.1) ; v1(49.25,132.675) v1(49.25,133.9) ; v1(86.2,114.675) 86.2,121.8 88.8,124.4 106.305,124.4 107.3,123.405 107.3,123.1 108.3,122.1 114.425,122.1 115.083,121.443 v1(130.1,121.443)
SCL_+5V: IC7.6 J8.4 J9.4 R13.2 | length 24
  Top Layer w0.127: J8.4@141.985,114.2 141.985,112.885 142.6,112.27 R13.2@142.6,112.12 ; IC7.6@142.195,105.975 143.475,105.975 v1(143.95,105.5)
  Bottom Layer w0.127: J8.4@141.985,114.2 143.95,112.235 ; v1(143.95,105.5) 143.95,112.235 ; J9.4@153.36,114.2 151.395,112.235 143.95,112.235